# Altium PCB VBT6.PcbDoc
Units mil, origin at the board's own origin, x right, y up, seen from the top; angles counter-clockwise.
Board outline 6000 x 4000 mil, 2 copper layers (Top Layer, Bottom Layer); 85 components, 113 nets, 504 pads, 68 vias.
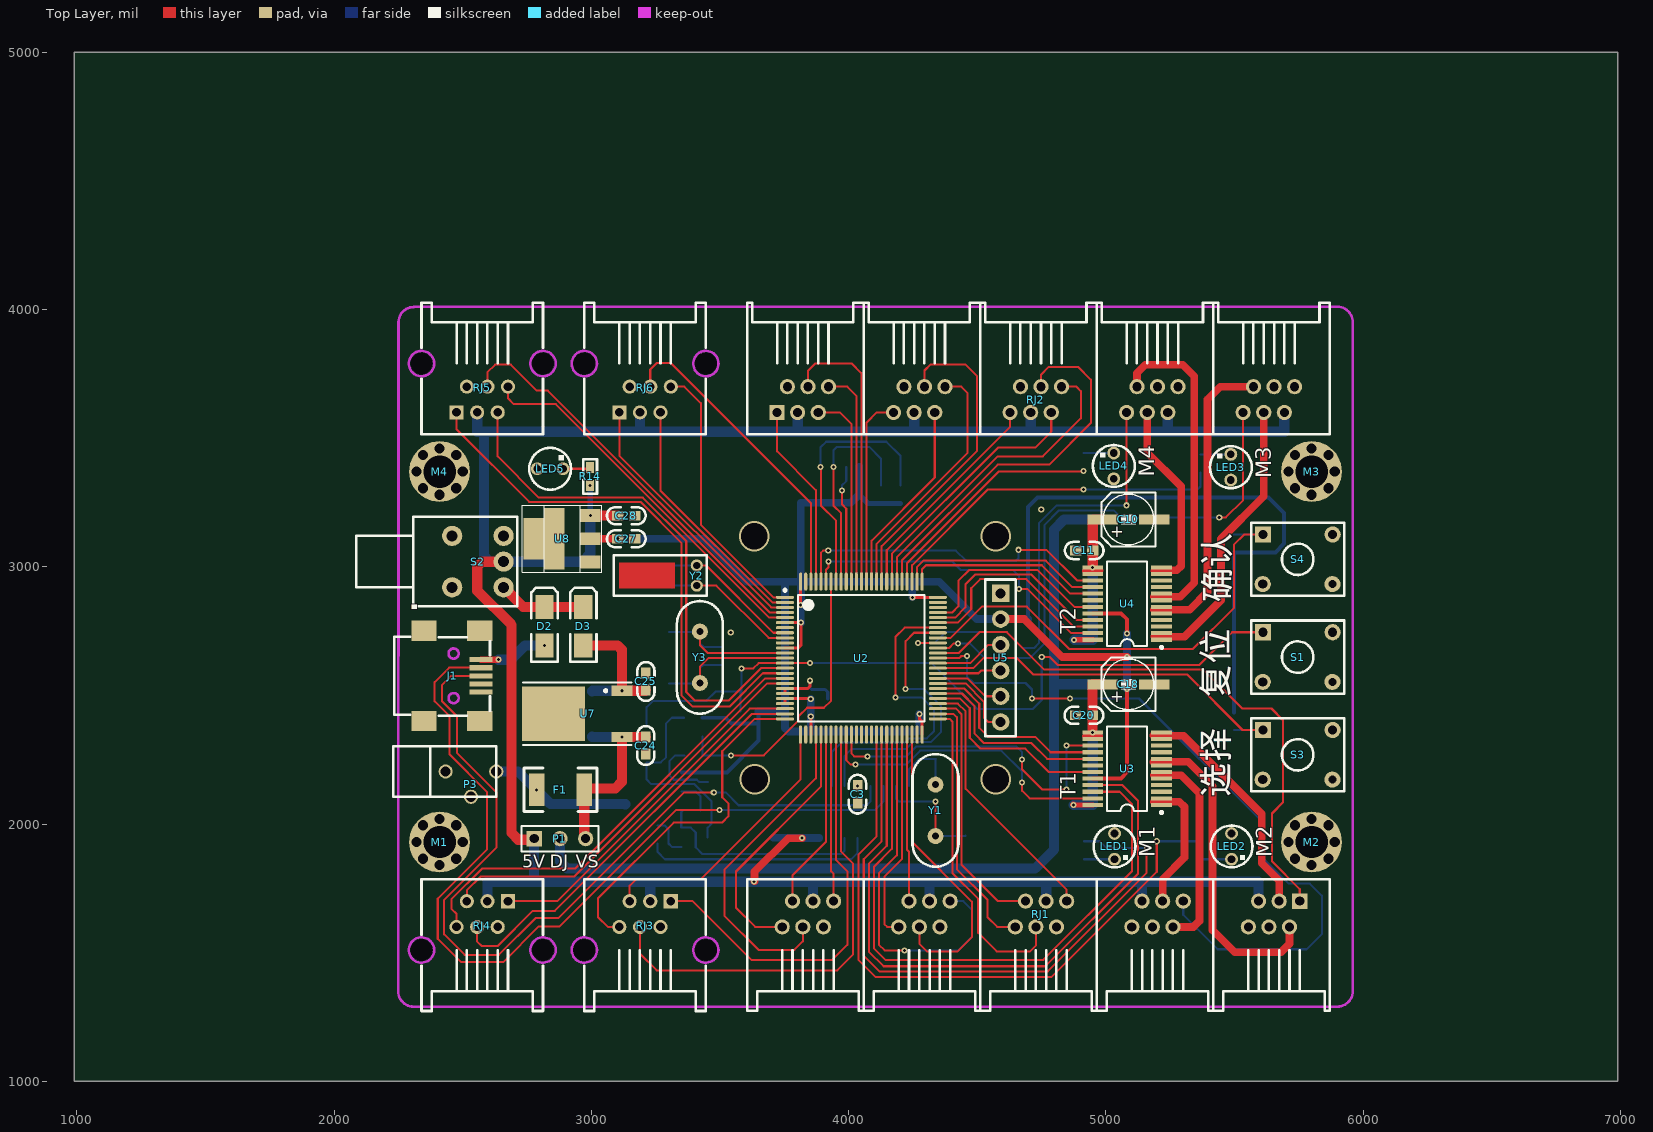
[diagram p0: Top Layer view]
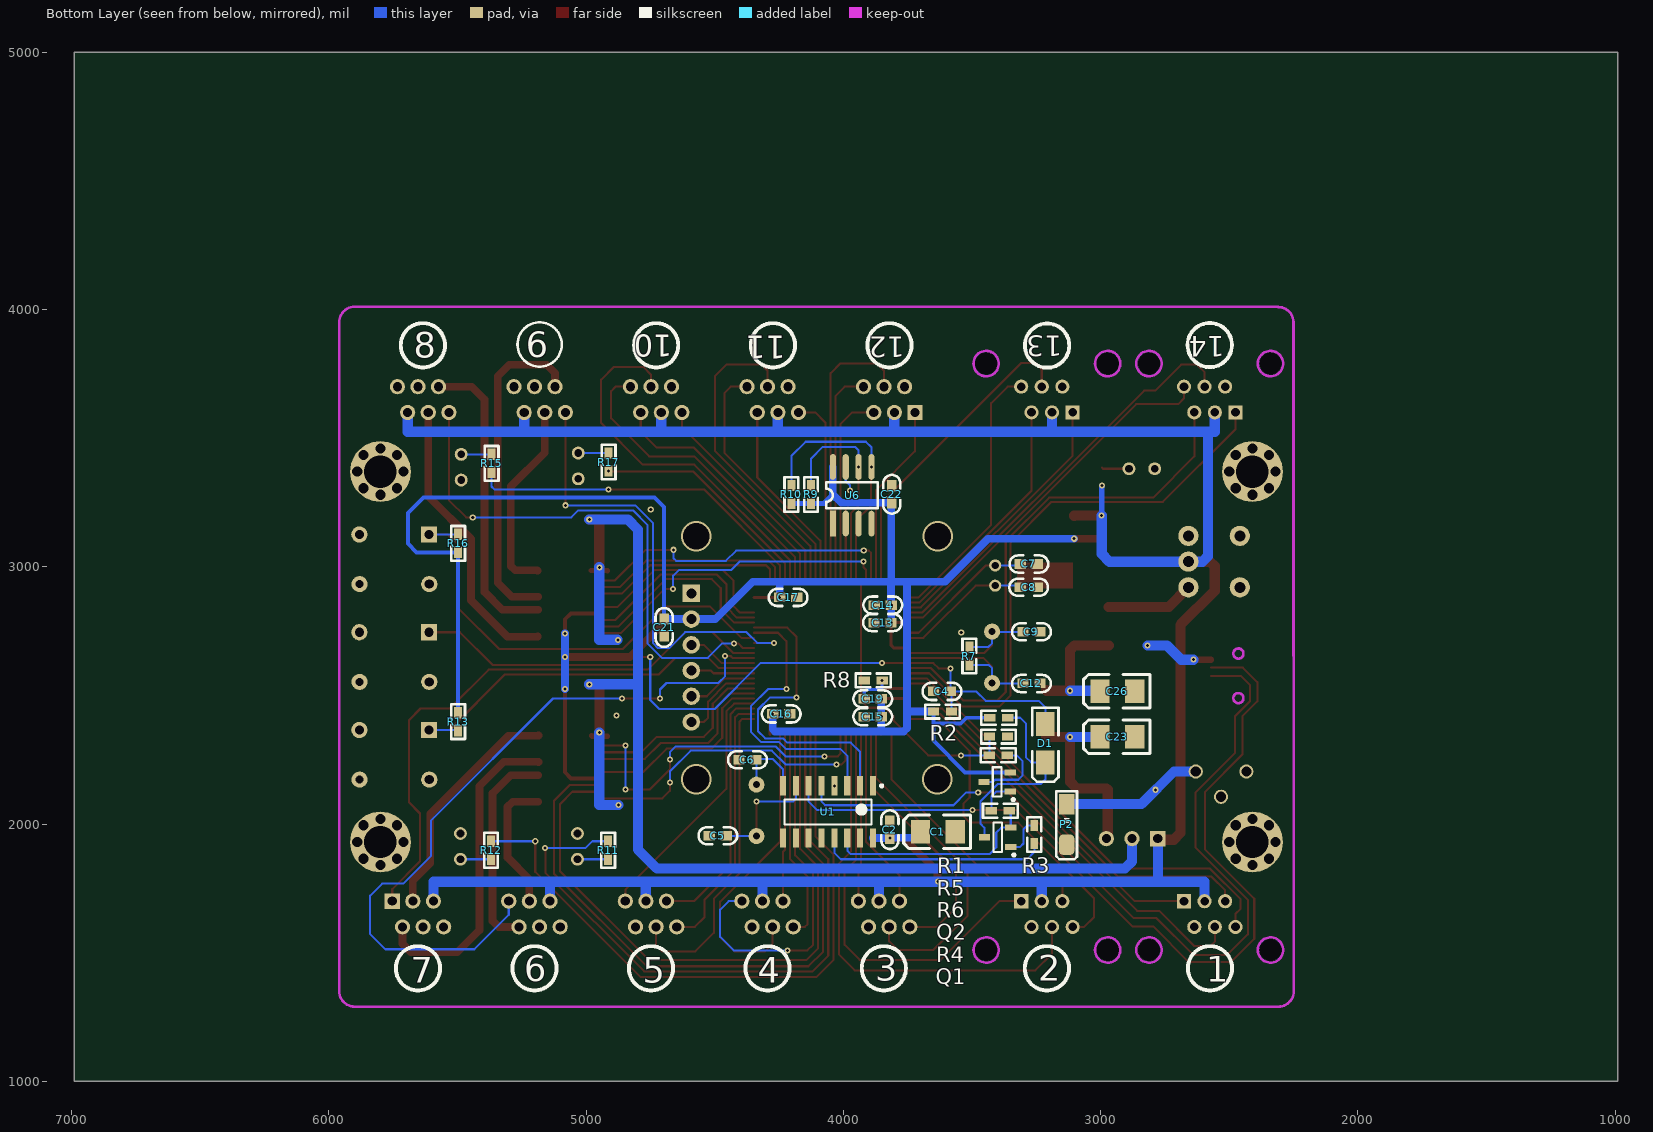
[diagram p1: Bottom Layer view, seen from below]

## Layer stack, top to bottom
Top Solder: solder mask 0.4, Solder Resist, Dk 3.5
Top Layer: signal copper 1.4
Dielectric 1: dielectric 12.6, FR-4, Dk 4.8
Bottom Layer: signal copper 1.4
Bottom Solder: solder mask 0.4, Solder Resist, Dk 3.5

## Board outline
990,1000 6990,1000 6990,5000 990,5000

## Design rules (kind name [scope] priority, off if disabled: settings)
Clearance Clearance_2 [All] p1: gap=6
Clearance Clearance_1 [All] p2: gap=6
Clearance [All] p3: gap=6
ComponentClearance [All] p1 off: gap=10 collisioncheckmode=3 verticalgap=10 showdistances=FALSE
PolygonConnect [All] p1: connectstyle=Relief reliefconductorwidth=10 reliefentries=4 polygonreliefangle="90 Angle" airgapwidth=10
RoutingVias [All] p1: holewidth=8 width=16 viastyle="Through Hole" minholewidth=8 minwidth=16 maxholewidth=8 maxwidth=16
SolderMaskExpansion [All] p1: expansion=4
Width [All] p1: maxlimit=196.85 minlimit=8 preferedwidth=8
28 further rules are at their usual default settings.

## Components (designator, comment, footprint, x,y, rotation, side; value= is the part's Value field where it differs from the comment)
C1 "Cap Pol3" 3528 3630,1978 r0 bottom
C2 "Cap" 0603_C 3786,1936 r180 bottom
C3 "Cap" 0603_C 4068,2074 r0 top
C4 "Cap" 0603_C 3659,2482 r270 bottom
C5 "Cap" 0603_C 4446,1988 r90 bottom
C6 "Cap" 0603_C 4331,2283 r90 bottom
C7 "Cap" 0603_C 3237,3044 r90 bottom
C8 "Cap" 0603_C 3322,2887 r270 bottom
C9 "Cap" 0603_C 3311,2714 r270 bottom
C10 "Cap Pol3" 电解电容 5088,3184 r180 top
C11 "Cap" 0603_C 4874,3030 r270 top
C12 "Cap" 0603_C 3311,2513 r270 bottom
C13 "Cap" 0603_C 3890,2750 r270 bottom
C14 "Cap" 0603_C 3889,2818 r270 bottom
C15 "Cap" 0603_C 3928,2384 r270 bottom
C16 "Cap" 0603_C 4200,2461 r90 bottom
C17 "Cap" 0603_C 4173,2914 r90 bottom
C18 "Cap Pol3" 电解电容 5088,2543 r180 top
C19 "Cap" 0603_C 3928,2453 r270 bottom
C20 "Cap" 0603_C 4873,2389 r270 top
C21 "Cap" 0603_C 4664,2722 r180 bottom
C22 "Cap" 0603_C 3845,3324 r0 bottom
C23 "Cap Pol3" 3528 2932,2347 r0 bottom
C24 "Cap" 0603_C 3245,2263 r0 top
C25 "Cap" 0603_C 3179,2596 r180 top
C26 "Cap Pol3" 3528 2932,2524 r0 bottom
C27 "Cap" 0603_C 3178,3142 r90 top
C28 "Cap" 0603_C 3178,3232 r90 top
D1 "Diode 1N4001" SS24 3215,2314 r180 bottom
D2 "4148" SS24 2818,2769 r180 top
D3 "1N4148" SS24 2969,2769 r180 top
F1 "Fuse" SMD-1812 2891,2134 r180 top
J1 "USB" MINIUSB 2443,2585 r270 top
LED1 "LED0" LED-3mm 5040,1915 r270 top
LED2 "LED0" LED-3mm 5495,1915 r270 top
LED3 "LED0" LED-3mm 5480,3385 r90 top
LED4 "LED0" LED-3mm 5025,3390 r90 top
LED5 "LED0" LED-3mm 2838,3387 r0 top
M1 "M3" M3*8 2410,1930 r0 top
M2 "M3" M3*8 5800,1930 r0 top
M3 "M3" M3*8 5800,3370 r0 top
M4 "M3" M3*8 2410,3370 r0 top
P1 "Header 3" HDR1X3 2778,1943 r0 top
P2 "Header 2" PWRin 3131,2005 r270 bottom
P3 "PWR2.5" DC_002 2532,2155 r90 top
Q1 "S8050" SOT-23-3L 3414,1962 r90 bottom
Q2 "S8550" SOT-23-3L 3416,2177 r90 bottom
R1 "Res1" 0603_R 3396,2413 r90 bottom
R2 "Res1" 0603_R 3615,2437 r270 bottom
R3 "Res1" 0603_R 3258,1959 r180 bottom
R4 "Res1" 0603_R 3390,2052 r90 bottom
R5 "Res1" 0603_R 3397,2340 r270 bottom
R6 "Res1" 0603_R 3398,2267 r270 bottom
R7 "Res1" 0603_R 3510,2653 r180 bottom
R8 "Res1" 0603_R 3884,2558 r90 bottom
R9 "Res1" 0603_R 4126,3281 r0 bottom
R10 "Res1" 0603_R 4202,3281 r0 bottom
R11 "Res1" 0603_R 4915,1898 r0 bottom
R12 "Res1" 0603_R 5370,1898 r0 bottom
R13 "Res1" 0603_R 5498,2398 r180 bottom
R14 "Res1" 0603_R 2995,3351 r0 top
R15 "Res1" 0603_R 5368,3402 r180 bottom
R16 "Res1" 0603_R 5498,3091 r0 bottom
R17 "Res1" 0603_R 4913,3407 r180 bottom
RJ1 "RJ11x5" RJ11X5 4748,1650 r180 top
RJ2 "RJ11x5" RJ11X5 4728,3650 r0 top
RJ3 "RJ11" RJ11 3209,1605 r180 top
RJ4 "RJ11" RJ11 2576,1605 r180 top
RJ5 "RJ11" RJ11 2576,3695 r0 top
RJ6 "RJ11" RJ11 3209,3695 r0 top
S1 "K1" KEY_DIP 5755,2655 r0 top
S2 "K1" SMTS-102C3 2559,3020 r0 top
S3 "K1" KEY_DIP 5755,2275 r0 top
S4 "K1" KEY_DIP 5755,3035 r0 top
U1 "CH340G" CH340G 3884,2144 r270 bottom
U2 "STM32F103VBT6" STM32F103CVBT6 4050,2645 r0 top
U3 "TB6612" SSOP-24 5073,2238 r180 top
U4 "TB6612" SSOP-24 5073,2880 r180 top
U5 "0.96'OLED" OLED 4124,2574 r270 top
U6 "AT24C02" SO-8 3959,3279 r0 bottom
U7 "LM7805" TO-252 2986,2428 r0 top
U8 "LM1117" LM117 2886,3109 r0 top
Y1 "12M" XTAL12M 4579,1946 r180 top
Y2 "32.768K" XTAL32.768K 3416,2957 r90 top
Y3 "8M" XTAL12M 3181,2755 r0 top

## Footprints (in the part's own frame and the unit in brackets; to place one, negate y for a bottom-side part, rotate by r counter-clockwise, add the part's x,y. Pads: shape width x height; smd on the part's side, far side on the other; paste and mask are expansions set on the pad)
0603_C [mil]
  rect 37x44 smd: 1(-33.24,9) 2(-33.24,75)
  silkscreen extent -66,-33 0,117
0603_R [mil]
  rect 30x44 smd: 1(0,35) 2(0,-35)
  silkscreen extent -27,-68 27,68, body extent -19,-52 20,50, height 21
3528 [mil]
  rect 75x90 smd: 1(70.5,8) 2(-64.5,8)
  silkscreen extent -124,-57 136,73
CH340G [mm]
  rect 1.9x0.6 smd: 1(-0.111,-0.025) 2(-0.111,-1.295) 3(-0.111,-2.565) 4(-0.111,-3.835) 5(-0.111,-5.105) 6(-0.111,-6.375) 7(-0.111,-7.645) 8(-0.111,-8.915) 9(5.039,-8.915) 10(5.039,-7.645) 11(5.039,-6.375) 12(5.039,-5.105) 13(5.039,-3.835) 14(5.039,-2.565) 15(5.039,-1.295) 16(5.039,-0.025)
  silkscreen extent -0.24,-8.77 3.69,0.95, body extent 0.49,-8.75 4.44,-0.2, height 1.7
DC_002 [mm]
  round 1.4 hole 1: 1(1.25,-2.5) 2(1.25,2.5) 3(-1.25,0)
  silkscreen extent -1.25,-2.5 3.75,7.66
HDR1X3 [mm] "Connector; Header; 3 Position"
  rect 1.5x1.5 hole 0.9: 1(0,0)
  round 1.5 hole 0.9: 2(2.54,0) 3(5.08,0)
  silkscreen extent -1.27,-1.27 6.35,1.27
KEY_DIP [mm]
  rect 1.6x1.6 hole 0.9: 1(-3.658,2.299)
  round 1.6 hole 0.9: 2(-3.683,-2.603) 4(3.226,2.299)
  round 1.6 hole 0.8: 3(3.2,-2.603)
  silkscreen extent -4.8,-3.76 4.37,3.45
LED-3mm [mil]
  round 50 hole 30: 1(52,-6) 2(-48,-6)
  silkscreen extent -79,-87 83,75
LM117 [mil]
  rect 80x160 smd: 0(-110,0)
  rect 80x240 smd: 0(-30,0)
  rect 80x50 smd: 1(110,-90) 2(110,0) 3(110,90)
  silkscreen extent -155,-130 155,130
M3*8 [mm]
  round 1 hole 1: ""(-2.286,0) ""(-2.286,0) ""(-1.651,-1.651) ""(-1.651,-1.651) ""(-1.651,1.651) ""(-1.651,1.651) ""(0,-2.286) ""(0,-2.286) ""(0,2.286) ""(0,2.286) ""(1.651,-1.651) ""(1.651,-1.651) ""(1.651,-1.651) ""(1.651,1.651) ""(1.651,1.651) ""(2.286,0) ""(2.286,0)
  round 6 hole 3.2: ""(0,0)
MINIUSB [mm]
  rect 2x2.5 smd: 0(-4.223,3.126) 0(-4.223,-2.374) 0(4.677,3.126) 0(4.677,-2.374)
  rect 0.5x2.25 smd: 1(-1.373,3.251) 2(-0.573,3.251) 3(0.227,3.251) 4(1.027,3.251) 5(1.827,3.251)
  Keep-Out Layer circle w0.254: c-1.973,0.546 r0.5
  Keep-Out Layer circle w0.254: c2.427,0.546 r0.5
  silkscreen extent -3.62,-5.3 4.16,4.14
OLED [mil]
  rect 67.99x67.99 hole 39: 1(-322.62,467.52)
  round 67.99 hole 39: 2(-222.62,467.52) 3(-122.62,467.52) 4(-22.62,467.52) 5(77.38,467.52)
  round 68 hole 39: 6(177.38,467.52)
  silkscreen extent -377,408 233,527
PWRin [mm]
  rect 2x1.5 smd: 1(-1.829,-0.025)
  rrect50% 2x1.5 smd: 2(2.171,-0.025)
  silkscreen extent -3.1,-1.07 3.61,0.99
RJ11 [mm]
  round 2.1 hole 2.2 unplated: 0(-6,2.41) 0(6,2.41)
  rect 1.397x1.397 hole 0.85: 1(-2.54,-2.41)
  round 1.397 hole 0.85: 2(-1.524,0.13) 3(-0.508,-2.41) 4(0.508,0.13) 5(1.524,-2.41) 6(2.54,0.13)
  Keep-Out Layer circle w0.254: c6,2.41 r1.25
  Keep-Out Layer circle w0.254: c-6,2.41 r1.25
  silkscreen extent -6,-4.57 6,8.43
RJ11X5 [mm]
  rect 1.5x1.5 hole 0.9: 1(-25.552,-1.27)
  round 1.5 hole 0.9: 2(-24.536,1.27) 3(-23.52,-1.27) 4(-22.504,1.27) 5(-21.488,-1.27) 6(-20.472,1.27) 7(-14.046,-1.27) 8(-13.03,1.27) 9(-12.014,-1.27) 10(-10.998,1.27) 11(-9.982,-1.27) 12(-8.966,1.27) 13(-2.54,-1.27) 14(-1.524,1.27) 15(-0.508,-1.27) 16(0.508,1.27) 17(1.524,-1.27) 18(2.54,1.27) 19(8.966,-1.27) 20(9.982,1.27) 21(10.998,-1.27) 22(12.014,1.27) 23(13.03,-1.27) 24(14.046,1.27) 25(20.472,-1.27) 26(21.488,1.27) 27(22.504,-1.27) 28(23.52,1.27) 29(24.536,-1.27) 30(25.552,1.27)
  silkscreen extent -28.51,-3.43 29.01,9.57
SMD-1812 [mil]
  rect 60x125 smd: 1(-81.5,1) 2(103.5,1)
  silkscreen extent -132,-84 154,86
SMTS-102C3 [mm]
  round 2 hole 1.1: 0(-2.54,-2.54) 0(-2.54,2.54) 1(2.54,-2.54) 2(2.54,0) 3(2.54,2.54)
  silkscreen extent -12,-4.41 3.9,4.41
SO-8 [mil]
  rect 24x100 smd: 1(82,111)
  oval 24x100 smd: 2(32,111) 3(-18,111) 4(-68,111) 5(-68,-109) 6(-18,-109) 7(32,-109) 8(82,-109)
  silkscreen extent -93,-49 107,51
SOT-23-3L [mm]
  rect 0.6x1.1 smd: 1(-1.293,-1.636) 2(0.607,-1.636) 3(-0.343,0.964)
  silkscreen extent -2.22,-2.06 1.11,0.09
SS24 [mm]
  rect 1.8x2.4 smd: 1(0,1.898) 2(0,-1.898)
  silkscreen extent -1.3,-3.8 1.3,3.5
SSOP-24 [mm]
  rect 2.05x0.4 smd: 1(-3.654,4.159) 2(-3.654,3.509) 3(-3.654,2.859) 4(-3.654,2.209) 5(-3.654,1.559) 6(-3.654,0.909) 7(-3.654,0.259) 8(-3.654,-0.391) 9(-3.654,-1.041) 10(-3.654,-1.691) 11(-3.654,-2.341) 12(-3.654,-2.991) 13(3.146,-2.991) 14(3.146,-2.341) 15(3.146,-1.691) 16(3.146,-1.041) 17(3.146,-0.391) 18(3.146,0.259) 19(3.146,0.909) 20(3.146,1.559) 21(3.146,2.209) 22(3.146,2.859) 23(3.146,3.509) 24(3.146,4.159)
  silkscreen extent -3.78,-3.59 1.72,5.03
STM32F103CVBT6 [mm]
  oval 1.8x0.3 smd: 1(-7.55,6) 2(-7.55,5.5) 3(-7.55,5) 4(-7.55,4.5) 5(-7.55,4) 6(-7.55,3.5) 7(-7.55,3) 8(-7.55,2.5) 9(-7.55,2) 10(-7.55,1.5) 11(-7.55,1) 12(-7.55,0.5) 13(-7.55,0) 14(-7.55,-0.5) 15(-7.55,-1) 16(-7.55,-1.5) 17(-7.55,-2) 18(-7.55,-2.5) 19(-7.55,-3) 20(-7.55,-3.5) 21(-7.55,-4) 22(-7.55,-4.5) 23(-7.55,-5) 24(-7.55,-5.5) 25(-7.55,-6) 51(7.55,-6) 52(7.55,-5.5) 53(7.55,-5) 54(7.55,-4.5) 55(7.55,-4) 56(7.55,-3.5) 57(7.55,-3) 58(7.55,-2.5) 59(7.55,-2) 60(7.55,-1.5) 61(7.55,-1) 62(7.55,-0.5) 63(7.55,0) 64(7.55,0.5) 65(7.55,1) 66(7.55,1.5) 67(7.55,2) 68(7.55,2.5) 69(7.55,3) 70(7.55,3.5) 71(7.55,4) 72(7.55,4.5) 73(7.55,5) 74(7.55,5.5) 75(7.55,6)
  oval 0.3x1.8 smd: 26(-6,-7.55) 27(-5.5,-7.55) 28(-5,-7.55) 29(-4.5,-7.55) 30(-4,-7.55) 31(-3.5,-7.55) 32(-3,-7.55) 33(-2.5,-7.55) 34(-2,-7.55) 35(-1.5,-7.55) 36(-1,-7.55) 37(-0.5,-7.55) 38(0,-7.55) 39(0.5,-7.55) 40(1,-7.55) 41(1.5,-7.55) 42(2,-7.55) 43(2.5,-7.55) 44(3,-7.55) 45(3.5,-7.55) 46(4,-7.55) 47(4.5,-7.55) 48(5,-7.55) 49(5.5,-7.55) 50(6,-7.55) 76(6,7.55) 77(5.5,7.55) 78(5,7.55) 79(4.5,7.55) 80(4,7.55) 81(3.5,7.55) 82(3,7.55) 83(2.5,7.55) 84(2,7.55) 85(1.5,7.55) 86(1,7.55) 87(0.5,7.55) 88(0,7.55) 89(-0.5,7.55) 90(-1,7.55) 91(-1.5,7.55) 92(-2,7.55) 93(-2.5,7.55) 94(-3,7.55) 95(-3.5,7.55) 96(-4,7.55) 97(-4.5,7.55) 98(-5,7.55) 99(-5.5,7.55) 100(-6,7.55)
  silkscreen extent -7.67,-6.25 6.25,6.82
TO-252 [mm]
  rect 2.1x1 smd: 1(3.375,-2.285) 3(3.375,2.285)
  rect 6.2x5.4 smd: 2(-3.375,0)
  silkscreen extent -6.37,-3.09 4.33,3.09
XTAL12M [mil]
  round 62 hole 28: 1(241,-207) 2(241,-7)
  silkscreen extent 152,-326 330,112
XTAL32.768K [mil]
  round 47.24 hole 28: 1(-30.37,6) 2(48.37,6)
  Top Layer region: -42,90 59,90 59,308 -42,308
  silkscreen extent -70,-33 88,329
电解电容 [mm]
  rect 3x1 smd: 1(2.54,0) 2(-2.54,0)
  silkscreen extent -2.65,-2.66 2.65,2.65

## Part data
C1 C10 C18 C23 C26: "Polarized Capacitor (Surface Mount)"
C2 C3 C4 C5 C6 C7 C8 C9 C11 C12 C13 C14 C15 C16 C17 C19 C20 C21 C22 C24 C25 C27 C28: "Capacitor"
D1: "1 Amp General Purpose Rectifier"
D2: library part "Diode 1N4148", "High Conductance Fast Diode"
D3: library part "Diode 1N4001", "1 Amp General Purpose Rectifier"
J1: library part "Header 4", "Header, 4-Pin"
LED1 LED2 LED3 LED4 LED5: library part LED1, "Typical RED GaAs LED"
P1: "Header, 3-Pin"
P2: "Header, 2-Pin"
Q1: library part 2N3904, "NPN General Purpose Amplifier"
Q2: library part 2N3906, "PNP General Purpose Amplifier"
R1 R2 R3 R4 R5 R6 R7 R8 R9 R10 R11 R12 R13 R14 R15 R16 R17: "Resistor"
S1 S2 S3 S4: library part SW-PB, "Switch"
U8: library part LM117
Y1 Y2 Y3: library part XTAL, "Crystal Oscillator"

## Via types
v1: diameter 23.62, hole 11.81, Top Layer to Bottom Layer, 64 vias
v2: diameter 118.11, hole 102.36, Top Layer to Bottom Layer, 4 vias

## Nets (pads, with @x,y where several pads share a name; then routed paths per layer and width w, separated by ;. In a path a pad name is that pad's centre, name@x,y a point inside that pad or via, vN(x,y) a via of type N, cw(c..) or ccw(c..) an arc to the next point about the centre after c; other vN are vias at no path point)
AGND: C19.1 R8.2 U2.19 U2.20 | length 272.7
  Top Layer w10: U2.20 U2.19
  Top Layer w12: U2.19 3841.89,2526.89 3850,2535 v1(3850,2557)
  Bottom Layer w12: v1(3850,2557) 3850,2529 3856,2523 3909,2523 3919,2513 C19.1
BOOT0: R5.2 R6.2 U2.94 | length 1132.8
  Top Layer w8: v1(3543,2267) 3671,2267 3805,2401 3805,2418 3839,2452 3904,2452 3931.89,2479.89 U2.94
  Bottom Layer w8: R5.2 3432,2268 R6.2 v1(3543,2267)
GND: C1.2 C2.2 C3.1 C4.1 C5.2 C6.2 C7.1 C8.2 C9.2 C10.2 C11.1 C12.2 C13.1 C14.1 C15.1 C16.1 C17.1 C18.2 C20.1 C21.1 C22.1 C23.2 C24.1 C25.1 C26.2 C27.1 C28.1 J1.5 LED1.2 LED2.2 LED3.2 LED4.2 LED5.2 P2.2 P3.2 P3.3 R5.1 R8.1 RJ1.4 RJ1.10 RJ1.14 RJ1.20 RJ1.26 RJ2.2 RJ2.8 RJ2.14 RJ2.22 RJ2.28 RJ3.2 RJ4.2 RJ5.2 RJ6.2 S1.2 S3.2 S4.2 U1.1 U2.10 U2.27 U2.37 U2.49 U2.74 U2.99 U3.3 U3.4 U3.9 U3.10 U3.18 U4.3 U4.4 U4.9 U4.10 U4.18 U5.1 U6.1 U6.2 U6.3 U6.4 U7.2 U8.1
  other v1: 4882,2422.24 3542,2745 4749,3222
I2C1_SCL: R9.2 U2.92 U6.6 | length 836.1
  Top Layer w8: v1(3941,3388) 3941,3238 3971.26,3207.74 U2.92
  Bottom Layer w8: v1(3941,3388) 3941,3452 3955,3466 4080,3466 4126,3420 R9.2
I2C1_SDA: R10.2 U2.93 U6.5 | length 1005.3
  Top Layer w8: v1@3892,3389 3892,3238 3951.57,3178.43 U2.93
  Bottom Layer w8: v1(3891,3388) 3891,3464 3913,3486 4147,3486 4202,3431 R10.2
KEY1: R13.2 S3.1 U2.61 | length 1509.9
  Top Layer w8: U2.61 4484.63,2605.63 4525,2646 4653,2646 4718,2581 5316,2581 5531.5,2365.5 S3.1
  Bottom Layer w8: R13.2@5498,2365 5610.5,2365 S3.1
KEY2: R16.2 S4.1 U2.67 | length 1823.3
  Top Layer w8: U2.67 4396.74,2723.74 4518,2845 4693,2845 4857,2681 5339,2681 5499,2841 5499,3087 5537.5,3125.5 S4.1
  Bottom Layer w8: R16.2 5498.5,3125.5 S4.1
LED1: R11.2 U2.42 | length 2524.7
  Top Layer w8: U2.42 4128.74,1932.74 4059,1863 4059,1488 4120,1427 4775,1427 5159,1811 v1@5159,1907
  Bottom Layer w8: R11.2 4976,1933 5002,1907 v1(5160,1907)
LED2: R12.2 U2.41 | length 2552.5
  Top Layer w8: U2.41 4109.06,1952.06 4038,1881 4038,1473 4106,1405 4788.6,1405 5198,1814.4 v1(5198,1933)
  Bottom Layer w8: v1(5198,1933) R12.2
LED3: R15.2 U2.78 | length 1366.6
  Top Layer w8: U2.78 4246.85,3005.85 4542,3301 v1(4913,3301)
  Bottom Layer w8: v1(4913,3301) 5357,3301 5368,3312 R15.2
LED4: R17.2 U2.79 | length 905.1
  Top Layer w8: U2.79 4227.17,3014.17 4583,3370 v1@4913,3370
  other v1: 4913,3372
NetC3_2: C3.2 U1.4 | length 2.5
  Top Layer w8: C3.2@4035,2131.76 C3.2@4036.76,2130
  other v1: 4035,2148.38
NetC25_2: C25.2 C26.1 D3.1 U7.3 | length 528
  Top Layer w40: D3.1 3101.71,2694.29 3118.87,2677.13 v1(3118.87,2517.96) 3209.2,2517.96 C25.2
  Bottom Layer w40: C26.1 3004.46,2517.96 v1(3118.87,2517.96)
NetD1_2: D1.2 Q1.3 R1.2 | length 794.5
  Bottom Layer w8: R1.2 3313,2413 3291,2391 3291,2260 3270.29,2239.29 D1.2 3215,2173 3233,2155 3401,2155 3467,2089 3467,2001 3451.94,1985.94 Q1.3
NetD2_1: D2.1 J1.1 | length 269.9
  Top Layer w25: J1.1 v1(2639,2639) v1(2639,2639)
  Bottom Layer w40: v1(2639,2639) 2687,2639 2742.29,2694.29 v1(2818,2694.29)
NetF1_2: F1.2 P2.1 P3.1 | length 554.3
  Bottom Layer w40: P3.1 2714.79,2204.21 2841,2078 3131,2078 P2.1
  other v1: 2787.5,2133
NetLED1_1: LED1.1 R11.1 | length 119
  Bottom Layer w8: R11.1 LED1.1
NetLED2_1: LED2.1 R12.1 | length 119
  Bottom Layer w8: R12.1 LED2.1
NetLED3_1: LED3.1 R15.1 | length 118
  Bottom Layer w8: R15.1 LED3.1
NetLED4_1: LED4.1 R17.1 | length 118
  Bottom Layer w8: R17.1 LED4.1
NetLED5_1: LED5.1 R14.1 | length 107.1
  Top Layer w8: LED5.1 2990,3381 R14.1
NetQ1_1: Q1.1 R3.1 | length 158.7
  Bottom Layer w8: R3.1 3286,1994 3300,1980 3300,1924 3312.91,1911.09 Q1.1
NetQ1_2: Q1.2 R4.2 U1.14 | length 834.8
  Bottom Layer w8: R4.2 3349.57,2046.57 Q1.2 3387.11,1985.89 3406,1967 3406,1909 3432,1883 3971,1883 3985,1897 U1.14
NetQ2_1: Q2.1 R4.1 | length 136.3
  Bottom Layer w8: Q2.1 3405.91,2126.09 3425,2107 R4.1
NetQ2_3: Q2.3 R6.1 | length 286
  Bottom Layer w8: R6.1 3326,2267 3303,2244 3303,2189 3320,2172 3410,2172 3418.51,2163.49 Q2.3
NetR3_2: R3.2 U1.13 | length 889.6
  Bottom Layer w8: R3.2 3258,1891 3286,1863 4010,1863 4035,1888 U1.13
NRST: C4.2 D1.1 R2.1 S1.1 U2.14 | length 2987.2
  Top Layer w8: v1(3584,2605) 3630,2605 3650.32,2625.32 U2.14 v1(3850.68,2625.32) ; v1(4751,2650) 4781,2650 4813,2618 5364,2618 5491.5,2745.5 S1.1
  Bottom Layer w8: D1.1 3215,2454 3240,2479 3447,2479 3483.24,2515.24 C4.2 ; R2.1 3580,2511.24 C4.2 ; v1(3584,2605) C4.2 ; v1(3850.68,2625.32) 4322.69,2625.32 4501,2447 4716,2447 4751,2482 v1(4751,2650)
O_CLK: U2.62 U5.3 | length 273.8
  Top Layer w8: U2.62 4472.31,2625.32 4543.62,2696.62 U5.3
O_DC: U2.58 U5.6 | length 343.3
  Top Layer w8: U2.58 4455.43,2546.57 4526,2476 4526,2413 4542.38,2396.62 U5.6
O_DIN: U2.60 U5.4 | length 248.7
  Top Layer w8: U2.60 4504.94,2585.94 4515.62,2596.62 U5.4
O_RES: U2.59 U5.5 | length 273.1
  Top Layer w8: U2.59 4461.74,2566.26 4531.38,2496.62 U5.5
OSC32_IN: C7.2 U2.8 Y2.2 | length 559.5
  Top Layer w8: Y2.2 3445.63,3005.37 3707.57,2743.43 U2.8
  Bottom Layer w8: C7.2 3317.39,3005.37 Y2.2 Y2.2@3418,3005.37
OSC32_OUT: C8.1 U2.9 Y2.1 | length 534.4
  Top Layer w8: Y2.1 3486.37,2926.63 3689.26,2723.74 U2.9
  Bottom Layer w8: C8.1 3319.39,2926.63 Y2.1 Y2.1@3418,2926.63
OSC_CH340IN: C5.1 U1.7 Y1.2 | length 459.2
  Top Layer w8: Y1.2 v1@4338,2087
  Bottom Layer w8: U1.7 4185,2098 4195,2088 v1(4338,2088) ; Y1.2 4453.24,1953 C5.1
OSC_CH340OUT: C6.1 U1.8 Y1.1 | length 286.2
  Bottom Layer w8: U1.8 4235,2213 4274.76,2252.76 C6.1@4338.76,2252.76 ; Y1.1 4338,2249 4338.76,2249.76 C6.1@4338.76,2252.76 ; C6.1@4340,2252.76 C6.1@4338.76,2252.76
OSC_IN: C9.1 R7.1 U2.12 Y3.2 | length 655.4
  Top Layer w8: Y3.2 3422,2695.68 3453,2664.68 U2.12
  Bottom Layer w8: C9.1 3421.24,2747.24 Y3.2 3422,2703 3437,2688 R7.1
OSC_OUT: C12.1 R7.2 U2.13 Y3.1 | length 679.5
  Top Layer w8: Y3.1 3422,2612 3455,2645 U2.13
  Bottom Layer w8: C12.1 3420.24,2546.24 Y3.1 3422,2605 3435,2618 R7.2
PA0: RJ4.1 U2.23 | length 1386.7
  Top Layer w8: RJ4.1 2866.88,1699.88 3615.15,2448.15 U2.23
PA1: RJ4.4 U2.24 | length 1634.5
  Top Layer w8: RJ4.4 2556,1543 2573,1526 2637,1526 2773,1662 2858,1662 3624.46,2428.46 U2.24
PA2: RJ3.6 U2.25 | length 1369.7
  Top Layer w8: RJ3.6 3064.12,1599.88 3026,1638 3026,1711 3320,2005 3508,2005 3533,2030 3533,2080 3509,2104 3509,2283 3634.78,2408.78 U2.25
PA3: RJ3.5 U2.26 | length 1070.3
  Top Layer w8: RJ3.5 3149,1760 3176,1787 3427,1787 3813.78,2173.78 U2.26
PA4: RJ1.28 U2.29 | length 1280.9
  Top Layer w8: RJ1.28 3822,1544 3789,1511 3650,1511 3517,1644 3517,1822 3872.83,2177.83 U2.29
PA5: RJ1.30 U2.30 | length 1020.3
  Top Layer w8: RJ1.30 3637,1600 3562.5,1674.5 3562.5,1815.5 3892.52,2145.52 U2.30
PA6: RJ1.29 U2.31 | length 701.7
  Top Layer w8: RJ1.29 3782,1801 3912.2,1931.2 U2.31
PA7: RJ1.25 U2.32 | length 651.9
  Top Layer w8: U2.32 3931.89,1816.11 3942,1806 RJ1.25
PB3: RJ2.6 U2.89 | length 845.4
  Top Layer w8: RJ2.6 3995,3700 4030.32,3664.68 U2.89
PB4: RJ2.5 U2.90 | length 760.2
  Top Layer w8: RJ2.5 3966,3600 4010.63,3555.37 U2.90
PB10: RJ1.23 U2.47 | length 651
  Top Layer w8: U2.47 4227.17,1899.83 4235,1892 RJ1.23
PB11: RJ1.22 U2.48 | length 1189
  Top Layer w8: U2.48 4246.85,1930.15 4479,1698 4479,1560 4423,1504 4306,1504 4275,1535 RJ1.22
PB12: RJ1.16 U2.51 | length 1259.6
  Top Layer w8: U2.51 4393.22,2408.78 4404,2398 4404,1809 4504,1709 4504,1577 4576,1505 4706,1505 4728,1527 RJ1.16
PB13: RJ1.18 U2.52 | length 1029.4
  Top Layer w8: U2.52 4407.54,2428.46 4421,2415 4421,1824 4540,1705 4540,1638 4578,1600 RJ1.18
PB14: RJ1.17 U2.53 | length 993.3
  Top Layer w8: U2.53 4417.85,2448.15 4439,2427 4439,1842 4581,1700 RJ1.17
PB15: RJ1.13 U2.54 | length 1020.9
  Top Layer w8: U2.54 4425.17,2467.83 4455,2438 4455,2137 4848,1744 RJ1.13
PC0: RJ5.5 U2.15 | length 2076.9
  Top Layer w8: RJ5.5 2636,3429 2796,3269 3200,3269 3369,3100 3369,2513 3402,2480 3534,2480 3659.63,2605.63 U2.15
PC1: RJ5.1 U2.16 | length 2190
  Top Layer w8: RJ5.1 2476,3534 2758,3252 3191,3252 3350,3093 3350,2501 3395,2456 3537,2456 3666.94,2585.94 U2.16
PC2: RJ4.6 U2.17 | length 1768.1
  Top Layer w8: RJ4.6 2476,1651 2456,1671 2456,1707 2576,1827 2937,1827 3676.26,2566.26 U2.17
PC3: RJ4.5 U2.18 | length 1612.1
  Top Layer w8: RJ4.5 2516,1742 2570,1796 2934,1796 3684.57,2546.57 U2.18
PC4: RJ3.1 U2.33 | length 1640.2
  Top Layer w8: RJ3.1 3394.12,1699.88 3622,1472 3937,1472 3995,1530 3995,1816 3951.57,1859.43 U2.33
PC5: RJ3.4 U2.34 | length 1858.8
  Top Layer w8: RJ3.4 3189,1496 3254,1431 3956,1431 4017,1492 4017,1847 3971.26,1892.74 U2.34
PC6: RJ1.7 U2.63 | length 2850.1
  Top Layer w8: U2.63 4431,2645 4439,2653 v1(4460,2653) ; v1(4713,2488) v1(4861,2488)
  Bottom Layer w8: v1(4460,2653) 4460,2575 4487,2548 4688,2548 4713,2523 v1(4713,2488) ; v1(4861,2488) 5129,2488 5603,2014 5603,1876 5711,1768 5793,1768 5840,1721 5840,1572 5781,1513 5435,1513 5301,1647 RJ1.7
PC7: RJ1.1 U2.64 | length 2283.6
  Top Layer w8: U2.64 4427.69,2664.68 4509,2746 4615,2746 4761,2600 5379,2600 5530,2449 5644,2449 5689,2404 5689,2084 5646,2041 5646,1855 5754,1747 RJ1.1
PC8: RJ2.25 U2.65 | length 2104.6
  Top Layer w8: U2.65 4391.37,2684.37 4409,2702 v1(4426,2702) ; v1(5441,3192) 5467,3192 5534,3259 RJ2.25
  Bottom Layer w8: v1(4426,2702) 4471,2702 4527,2646 4706,2646 4761,2701 4761,3162 4818,3219 5031,3219 5058,3192 v1(5441,3192)
PC9: RJ2.19 U2.66 | length 1795.2
  Top Layer w8: v1(4270,2704) 4270.06,2704.06 U2.66 ; v1(5081,3239) RJ2.19
  Bottom Layer w8: v1(4270,2704) 4335,2704 4377,2746 4615,2746 4677,2684 4721,2684 4740,2703 4740,3169 4810,3239 v1(5081,3239)
PC12: RJ2.16 U2.80 | length 1480.3
  Top Layer w8: U2.80 4207.48,3024.48 4580,3397 4780,3397 4942,3559 4942,3727 4892,3777 4778,3777 4748,3747 RJ2.16
PD0: RJ2.18 U2.81 | length 1221.6
  Top Layer w8: U2.81 4187.8,3036.8 4580,3429 4755,3429 4903,3577 4903,3683 4886,3700 RJ2.18
PD1: RJ2.17 U2.82 | length 999.5
  Top Layer w8: U2.82 4168.11,3050.11 4581,3463 4726,3463 4788,3525 RJ2.17
PD2: RJ2.13 U2.83 | length 856.4
  Top Layer w8: U2.83 4148.43,3064.43 4628,3544 RJ2.13
PD3: RJ2.10 U2.84 | length 1249.5
  Top Layer w8: U2.84 4128.74,3079.74 4500,3451 4500,3741 4454,3787 4319,3787 4295,3763 RJ2.10
PD4: RJ2.12 U2.85 | length 976.9
  Top Layer w8: U2.85 4109.06,3089.06 4462,3442 4462,3676 4438,3700 RJ2.12
PD5: RJ2.11 U2.86 | length 759.5
  Top Layer w8: U2.86 4089.37,3101.37 4335,3347 RJ2.11
PD6: RJ2.7 U2.87 | length 739.5
  Top Layer w8: U2.87 4069.68,3559.68 4110,3600 RJ2.7
PD7: RJ2.4 U2.88 | length 1107.1
  Top Layer w8: RJ2.4 3842,3761 3871,3790 4013,3790 4050,3753 U2.88
PE0: RJ2.1 U2.97 | length 720.2
  Top Layer w8: RJ2.1 3722,3449 3872.83,3298.17 U2.97
PE1: RJ6.4 U2.98 | length 1232.4
  Top Layer w8: RJ6.4 3229,3767 3254,3792 3309,3792 3853.15,3247.85 U2.98
PE2: RJ6.6 U2.1 | length 1060
  Top Layer w8: RJ6.6 3361.88,3700.12 3426,3636 3426,3163 3707.78,2881.22 U2.1
PE3: RJ6.5 U2.2 | length 967.8
  Top Layer w8: RJ6.5 3269,3296 3703.46,2861.54 U2.2
PE4: RJ6.1 U2.3 | length 1056.3
  Top Layer w8: RJ6.1 3109,3432 3699.15,2841.85 U2.3
PE5: RJ5.4 U2.4 | length 1624.3
  Top Layer w8: RJ5.4 2596,3756 2626,3786 2687,3786 2788,3685 2831,3685 3693.83,2822.17 U2.4
PE6: RJ5.6 U2.5 | length 1475
  Top Layer w8: RJ5.6 2676,3655 2699,3632 2862,3632 3691.52,2802.48 U2.5
PE14: RJ1.19 U2.45 | length 1441
  Top Layer w8: U2.45 4187.8,1877.8 4118,1808 4118,1531 4140,1509 v1(4217,1509)
  Bottom Layer w8: v1(4217,1509) 4427,1509 4479,1561 4479,1667 4446,1700 RJ1.19
PE15: RJ1.24 U2.46 | length 825.7
  Top Layer w8: RJ1.24 4150,1600 4139,1611 4139,1795 4207.48,1863.48 U2.46
T1_AIN1: U2.43 U3.21 | length 2576
  Top Layer w8: U2.43 4148.43,1915.43 4079,1846 4079,1504 4136,1447 4765,1447 5125,1807 5125,2091 5064.98,2151.02 U3.21
T1_AIN2: U2.44 U3.22 | length 2458.3
  Top Layer w8: U2.44 4168.11,1903.11 4098,1833 4098,1517 4143,1472 4757,1472 5102,1817 5102,2077 5053.57,2125.43 U3.22
T1_AO1: RJ1.9 U3.1 U3.2 | length 529.5
  Top Layer w30: 5187,2087 5286,2087 5306,2067 5306,1870 5221,1785 RJ1.9
T1_AO2: RJ1.8 U3.5 U3.6 | length 815.9
  Top Layer w30: 5186,2190 5293,2190 5364,2119 5364,1623 5341,1600 RJ1.8
T1_BIN1: U2.56 U3.17 | length 769.7
  Top Layer w8: U2.56 4440.8,2507.2 4490,2458 4490,2351 4526,2315 4710,2315 4771.61,2253.39 U3.17
T1_BIN2: U2.57 U3.16 | length 759.7
  Top Layer w8: U2.57 4449.11,2526.89 4508,2468 4508,2374 4543,2339 4726,2339 4786.02,2278.98 U3.16
T1_BO1: RJ1.3 U3.11 U3.12 | length 914.5
  Top Layer w30: 5185,2344 5186,2343 5302,2343 5606,2039 5606,1847 5674,1779 RJ1.3
T1_BO2: RJ1.2 U3.7 U3.8 | length 1244.1
  Top Layer w30: 5185,2241 5186,2242 5320,2242 5415,2147 5415,1587 5501,1501 5681,1501 5714,1534 RJ1.2
T1_PWMA: U2.35 U3.23 | length 1207.1
  Top Layer w8: U2.35 3990.94,2248.06 4007,2232 v1(4027,2232) ; v1(4675,2162) 4675,2129 4704.16,2099.84 U3.23
  Bottom Layer w8: v1(4027,2232) 4225,2232 4278,2285 4594,2285 4675,2204 v1(4675,2162)
T1_PWMB: U2.36 U3.15 | length 1313
  Top Layer w8: U2.36 4010.63,2274.37 4022,2263 v1(4073,2263) ; v1(4675,2251) 4675,2212 4753,2134 v1(4847,2134) ; v1(4848,2305) 4848.43,2304.57 U3.15 U3.15@4948.71,2305
  Bottom Layer w8: v1(4073,2263) 4225,2263 4264,2302 4652,2302 4675,2279 v1(4675,2251) ; v1(4847,2134) 4848,2135 v1(4848,2305) v1@4848,2304.78
T1_STBY: U2.55 U3.19 | length 787.4
  Top Layer w8: U2.55 4433.48,2487.52 4471,2450 4471,2335 4513,2293 4687,2293 4777.79,2202.21 U3.19
T2_AIN1: U2.71 U4.21 | length 796.7
  Top Layer w8: U2.71 4414.48,2802.48 4454,2842 4454,2931 4493,2970 4710,2970 4886.98,2793.02 U4.21
T2_AIN2: U2.70 U4.22 | length 796.5
  Top Layer w8: U2.70 4424.8,2782.8 4477,2835 4477,2917 4512,2952 4691,2952 4875.57,2767.43 U4.22
T2_AO1: RJ2.27 U4.1 U4.2 | length 1118
  Top Layer w30: 5188,2729 5189,2728 5306,2728 5448,2870 5448,3108 5614,3274 RJ2.27
T2_AO2: RJ2.26 U4.5 U4.6 | length 1185.3
  Top Layer w30: 5186,2833 5326,2833 5395,2902 5395,3650 5445,3700 RJ2.26
T2_BIN1: U2.76 U4.17 | length 763.8
  Top Layer w8: U2.76 4286.22,2991.22 4301,3006 4751,3006 4861.61,2895.39 U4.17
T2_BIN2: U2.77 U4.16 | length 792.7
  Top Layer w8: U2.77 4266.54,2999.54 4291,3024 4767,3024 4870.02,2920.98 U4.16
T2_BO1: RJ2.21 U4.11 U4.12 | length 763.1
  Top Layer w30: RJ2.21 5161,3444 5293,3312 5293,3003 5276,2986 5190,2986 5189,2985
T2_BO2: RJ2.20 U4.7 U4.8 | length 1289.1
  Top Layer w30: RJ2.20 5121,3752 5154,3785 5299,3785 5344,3740 5344,2938 5289,2883 5187,2883
T2_PWMA: U2.95 U4.23 | length 1254
  Top Layer w8: U2.95 3912.2,2988.2 3922,2998 v1(3922,3020) ; v1(4662,2914) 4694,2914 4866.16,2741.84 U4.23
  Bottom Layer w8: v1(3922,3020) 4404,3020 4437,2987 4640,2987 4662,2965 v1(4662,2914)
T2_PWMB: U2.96 U4.15 | length 1275
  Top Layer w8: U2.96 3892.52,3054.52 3901,3063 v1(3921,3063) ; v1(4661,3066) 4769,3066 4888.43,2946.57 U4.15
  Bottom Layer w8: v1(3921,3063) 4417,3063 4457,3023 4650,3023 4661,3034 v1(4661,3066)
T2_STBY: U2.72 U4.19 | length 788.1
  Top Layer w8: U2.72 4403.17,2822.17 4427,2846 4427,2945 4470,2988 4734,2988 4877.79,2844.21 U4.19
T_VM: C10.1 C11.2 C18.1 C20.2 P1.2 U3.13 U3.14 U3.24 U4.13 U4.14 U4.24 | length 5119.5
  Top Layer w20: v1@4874.25,2074.25 U3.24 ; v1@4879.25,2716.25 U4.24 ; 4917,2341 4978,2341 4980,2343 ; 4917,2984 4918,2985 4981,2985
  Top Layer w25: v1(4874,2074) v1@4874.25,2074.25
  Top Layer w40: U3.13@4948,2356.89 C20.2 4948,2543 v1(4988,2543) ; v1(4949,2997.89) C11.2 4949,3180 4953,3184 v1(4988,3184)
  Bottom Layer w40: P1.2 2878,1855 2906,1827 4725,1827 4799,1901 4799,2543 ; v1(4874,2074) 4948.89,2074 4949.14,2074.25 v1(4949.14,2355.75) ; v1@4879.39,2716.39 4949,2716.39 v1(4949,2997.89) ; v1(4988,2543) 4799,2543 ; v1(4988,3184) 4838,3184 4799,3145 4799,2543
  other v1: 4877,2716
USART1_RX: U1.2 U2.69 | length 1231.3
  Top Layer w8: v1(4182,2492) 4182,2727 4218.11,2763.11 U2.69
  Bottom Layer w8: U1.2 3935,2280 3971,2316 4218,2316 4235,2333 4304,2333 4332,2361 4332,2445 4285,2492 4183,2492 v1@4182,2493
USART1_TX: U1.3 U2.68 | length 1119.7
  Top Layer w8: v1(4222,2525) 4222,2711 4254.43,2743.43 U2.68
  Bottom Layer w8: U1.3 3985,2265 4012,2292 4224,2292 4250,2318 4320,2318 4359,2357 4359,2459 4293,2525 v1(4222,2525)
USB_5V: D2.2 D3.2 S2.1 | length 341.6
  Top Layer w40: S2.1 2735.29,2843.71 D2.2 D3.2
USBISP_D+: J1.3 U1.5 | length 3348.5
  Top Layer w8: J1.3 2455.05,2576.05 2419,2540 2419,2478 2477,2420 2477,2277 2632,2122 2632,1909 2428,1705 2428,1571 2508,1491 2640,1491 2783,1634 2872,1634 3361,2123 v1(3476,2123)
  Bottom Layer w8: v1(3476,2123) 3522,2123 3572,2073 4071,2073 4085,2087 U1.5
USBISP_D-: J1.2 U1.6 | length 3454
  Top Layer w8: J1.2 2447.54,2607.54 2391,2551 2391,2477 2449,2419 2449,2270 2595,2124 2595,1902 2403,1710 2403,1554 2494,1463 2657,1463 2796,1602 2877,1602 3330,2055 v1(3499,2055)
  Bottom Layer w8: v1(3499,2055) 4103,2055 4135,2087 U1.6
VCC3.3: C13.2 C14.2 C15.2 C16.2 C17.2 C19.2 C21.2 C22.2 C27.2 Q2.2 R1.1 R2.2 R9.1 R10.1 R13.1 R16.1 U2.6 U2.11 U2.21 U2.22 U2.28 U2.50 U2.75 U2.100 U3.20 U4.20 U5.2 U6.8 U8.2 | length 9582.1
  Top Layer w8: v1@4248,2880.22 U2.75@4347.24,2880.22
  Top Layer w10: U2.22 U2.21
  Top Layer w12: U2.21 3851.72,2487.52 v1(3853,2486.24) ; U2.11 3804.37,2684.37 3814.69,2694.69 v1(3814.69,2782.8) U2.6 ; U2.100 3813.78,2851.46 v1(3814,2851.24) v1@3814.69,2850.55 ; v1(3853,2417.24) 3853.15,2417.09 U2.28 ; v1(4248,2881) 4248.22,2881.22 U2.75 ; v1(4275,2428) 4275,2409 4286.22,2397.78 U2.50
  Top Layer w15: U3.20 5058.62,2176.62 5083,2201 v1@5083,2525 ; U4.20 5059.38,2818.62 5082,2796 v1(5082,2741)
  Top Layer w30: U8.2 v1(3102.76,3109) ; U5.2 4683.38,2796.62 4831,2649 v1(5082,2649)
  Bottom Layer w15: Q2.2 3526.89,2200.89 3650,2324 3650,2390 ; R1.1 3521,2413 3544,2390 3650,2390 ; R2.2 3650,2390 ; C21.2 4697.24,3232.24 4734,3269 5633,3269 5693,3209 5693,3090 5659,3056 R16.1 R13.1
  Bottom Layer w20: 4041,3281 4076,3246 R9.1 R10.1
  Bottom Layer w30: v1(3102.76,3109) 3438,3109 3605,2942 3752.76,2942 3752.76,2437 ; R2.2 3752.76,2437 ; 3753,2942 3814.69,2942 ; v1(3814,2851.24) 3814,2783.48 v1(3814.69,2782.8) ; 3814,2958 3814,3249 4009,3249 4041,3281 U6.8 ; C14.2@3814.69,2851.24 3814.69,2942 ; 3853,2360 v1(3853,2417.24) v1(3853,2486.24) ; v1(4248,2881) 4248,2941 4247,2942 ; v1(4275,2428) 4275,2368 4267,2360 3765,2360 3752.76,2372.24 3752.76,2437 ; C21.2@4697.24,2796.62 U5.2 4498.38,2796.62 4353,2942 4247,2942 ; v1(5082,2525) v1(5082,2649) v1(5082,2741) ; 3814.69,2942 4247,2942
VCC5: C1.1 C2.1 C28.2 P1.1 R14.2 RJ1.5 RJ1.11 RJ1.15 RJ1.21 RJ1.27 RJ2.3 RJ2.9 RJ2.15 RJ2.23 RJ2.29 RJ3.3 RJ4.3 RJ5.3 RJ6.3 S2.2 U1.16 U8.3 | length 10458.3
  Top Layer w30: v1@3634,1777 3634,1814 3765,1945 v1(3819.24,1945)
  Top Layer w40: S2.2 2575,3020 2557,3002 2557,2907 2690,2774 2690,1965 2716,1939 P1.1@2778,1939 ; v1(2996,3199) 3102.76,3199 C28.2
  Bottom Layer w20: v1(2995,3316) 2996,3315 v1(2996,3199)
  Bottom Layer w30: C1.1@3708.5,1946 3884.62,1946 3885.62,1945 v1(3819.24,1945)
  Bottom Layer w40: RJ5.3 2556,3525 4255,3525 ; 2583,3512 2583,3041 2604,3020 S2.2 2966,3020 2996,3050 v1(2996,3199) ; RJ4.3 2596,1776 2777,1776 ; P1.1@2777,1943 2777,1776 ; 3189,3525 RJ6.3 ; RJ3.3 3229,1776 ; 3802,3525 RJ2.3 ; RJ1.27 3862,1776 ; RJ2.9 4255,3525 ; RJ1.21 4315,1776 ; 4706,3525 4255,3525 ; RJ2.15 4708,3525 5236,3525 ; RJ1.15 4768,1776 4315,1776 ; 4770,1776 5140,1776 ; RJ1.11 5141,1775 5140,1776 ; RJ2.23 5241,3530 5236,3525 ; RJ1.5 5594,1776 5140,1776 ; RJ2.29 5694,3525 5236,3525 ; 2777,1776 3229,1776 ; 3229,1776 3862,1776 ; 3862,1776 4315,1776
  other v1: 3633,1777
VS: C23.1 C24.2 F1.1 P1.3 U7.1 | length 733
  Top Layer w40: P1.3@2972.5,1943 F1.1 2977.5,2138 3093,2138 3118.87,2163.87 v1(3118.87,2338.04) 3211.72,2338.04 C24.2
  Bottom Layer w40: C23.1 3003.46,2338.04 v1(3118.87,2338.04)
WP: U2.91 U6.7 | length 459.4
  Top Layer w8: 3974,3242 v1(3974,3297) ; 3975,3242 3990.94,3226.06 U2.91
  Bottom Layer w8: v1(3974,3297) 3974,3316 3991,3333 U6.7
pads on no net: J1.0 J1.4 M1. M2. M3. M4. RJ1.6 RJ1.12 RJ2.24 RJ2.30 RJ3.0 RJ4.0 RJ5.0 RJ6.0 S1.3 S1.4 S2.0 S2.3 S3.3 S3.4 S4.3 S4.4 U1.9 U1.10 U1.11 U1.12 U1.15 U2.7 U2.38 U2.39 U2.40 U2.73 U8.0
copper on no net:
  other v2: 3634.83,2174.18 4571.83,2174.18 3633.88,3119.06 4571.83,3119.06

## Keep-outs
Keep-Out Layer:
  lines w10: 2249,1350 ccw(c2309.5,1350.5) 2310,1290 5900,1290 ccw(c5900,1350) 5960,1350 5960,3950 ccw(c5899.5,3950.5) 5900,4011 2310,4009.75 ccw(c2309.38,3950.67) 2250.31,3951.29 2249,1350

## Silkscreen, mask and mechanical layers (free items; w line width, h text height)
Top Overlay:
  text "M4" at 5188,3350 h60 r90
  text "M3" at 5643,3345 h60 r90
  text "确认" at 5512,2860 h170 r90
  text "T2" at 4884,2740 h60 r90
  text "复位" at 5508,2487 h170 r90
  text "选择" at 5509,2104 h170 r90
  text "T1" at 4884,2098 h60 r90
  text "M1" at 5191,1870 h60 r90
  text "M2" at 5646,1870 h60 r90
  text "5V" at 2731,1829 h50
  text "DJ" at 2838,1829 h50
  text "VS" at 2940,1829 h50
Bottom Overlay:
  circle w15: c5201,1439 r86.02
  circle w15: c4748,1439 r86.02
  circle w15: c4295,1439 r86.02
  circle w15: c3843,1439 r86.02
  circle w15: c3209,1439 r86.02
  circle w15: c2575,1439 r86.02
  circle w15: c5654,1439 r86.02
  circle w15: c5635,3861 r86.02
  circle w10: c5181,3864 r86.02
  circle w15: c4728,3861 r86.02
  circle w15: c4274,3861 r86.02
  circle w15: c3821,3861 r86.02
  circle w15: c3208,3860 r86.02
  circle w15: c2576,3862 r86.02
  text "9" at 5147,3913 h100 r180
  text "10" at 4666,3901 h85 r180
  text "11" at 4225,3899 h90 r180
  text "13" at 3149,3898 h80 r180
  text "14" at 2518,3897 h80 r180
  text "12" at 3761,3895 h80 r180
  text "8" at 5670,3813 h100
  text "2" at 3242,1391 h100
  text "3" at 3877,1391 h100
  text "6" at 5240,1389 h100
  text "1" at 2589,1387 h100
  text "4" at 4334,1383 h100
  text "5" at 4780,1382 h100
  text "7" at 5682,1382 h100

## Text inside footprints (layer, text, board x,y; h text height)
C10: Top Overlay "+" at 5017.39,3114.05 h47.24
C18: Top Overlay "+" at 5017.39,2473.05 h47.24
Q1: Mechanical 1 "U1" at 3413,1960 h23.62 r90
Q2: Mechanical 1 "U1" at 3416.93,2179.8 h23.62 r90